# Altium PCB Board.PcbDoc (part 12 of 15)
Units mil, origin at the board's own origin, x right, y up, seen from the top; angles counter-clockwise.
Board outline 6379.64 x 4143.89 mil, 4 copper layers (Top Layer, GND, VCC, Bottom Layer); 316 components, 199 nets, 1077 pads, 596 vias.
Unrouted connection lines stored in the file: 268.
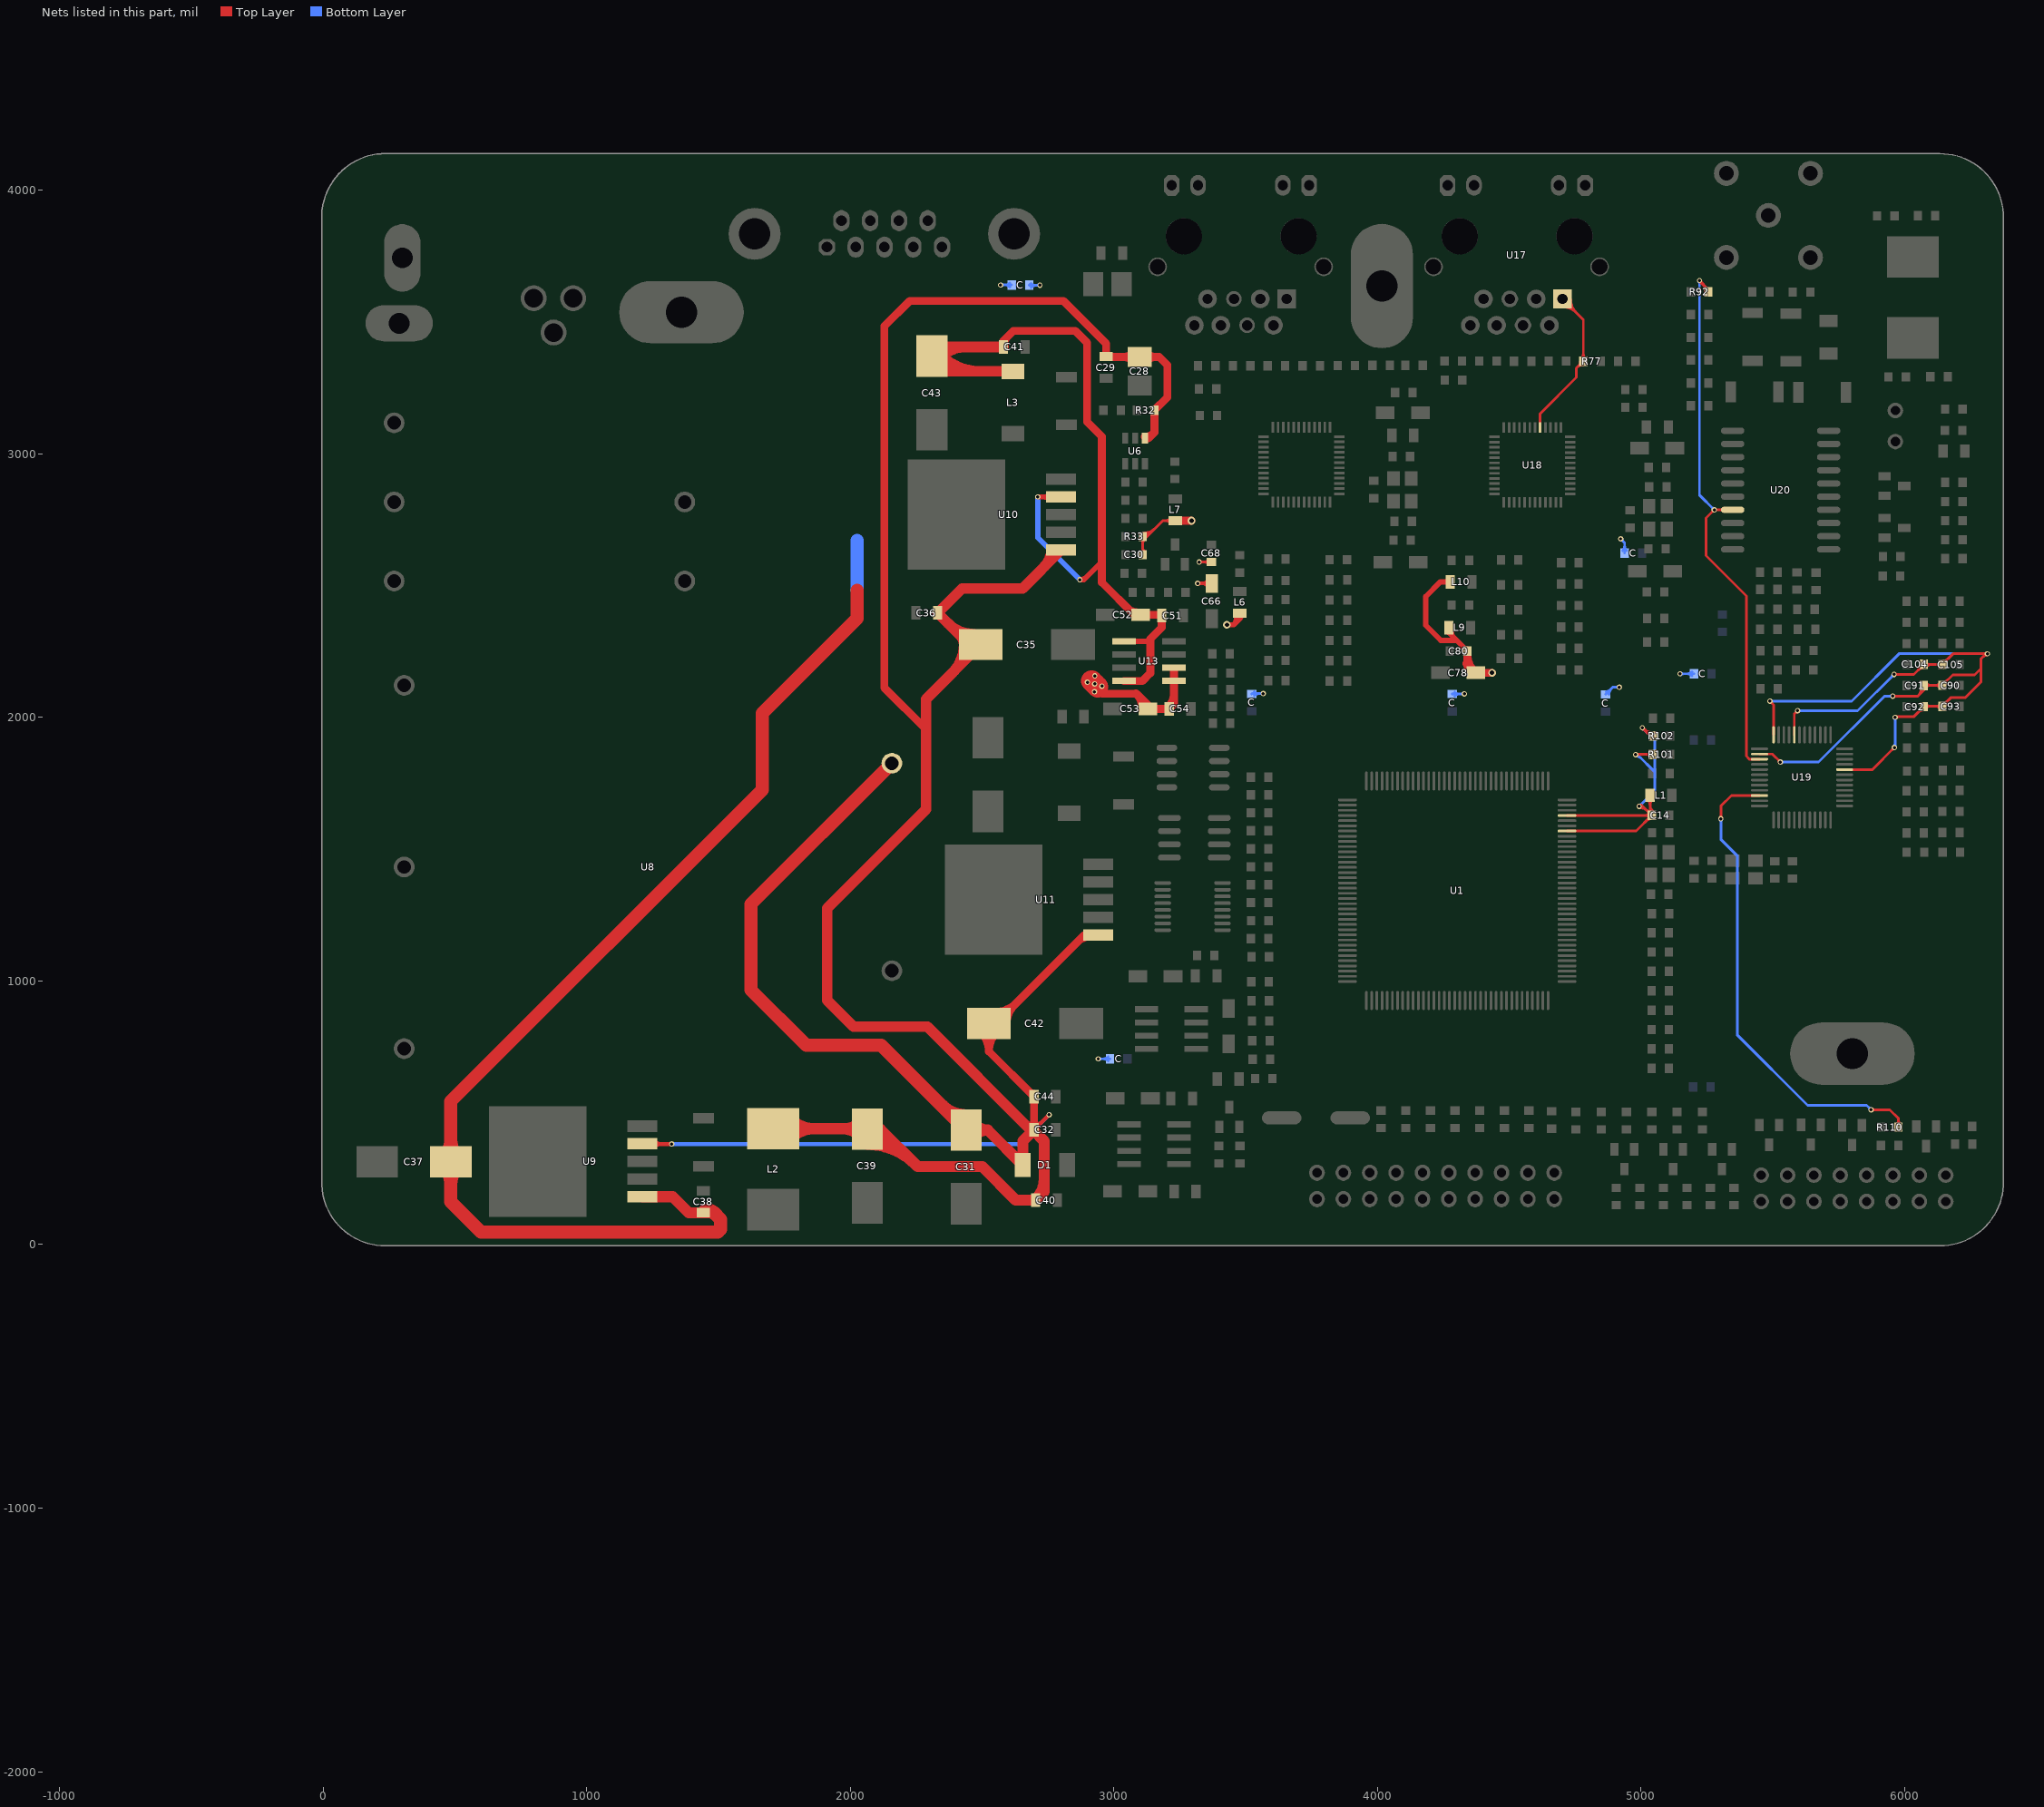
[diagram p13: the nets of this part, all layers, seen from the top]

## Via types
v1: diameter 20, hole 12, Top Layer to Bottom Layer, 590 vias
v2: diameter 30, hole 17, Top Layer to Bottom Layer, 6 vias

## Nets (pads, with @x,y where several pads share a name; then routed paths per layer and width w, separated by ;. In a path a pad name is that pad's centre, name@x,y a point inside that pad or via, vN(x,y) a via of type N, cw(c..) or ccw(c..) an arc to the next point about the centre after c; other vN are vias at no path point) (continued)
TX2_P: R77.1 U17.1 U18.17 | length 1411.9
  Top Layer w10: U18.17@4617.13,3099.72 4617.13,3140.01 4617.28,3140.16 4617.28,3152.85 4754.6,3290.16 4754.6,3325.02 R77.1@4781.03,3351.45 4781.03,3508.85 U17.1@4702.09,3587.8 ; U17.1@4702.09,3557.36 cw(c4702.09,3483.89) 4754.04,3535.84 ; U17.1@4702.09,3557.36 cw(c4702.09,3483.89) 4754.04,3535.84 ; U17.1@4702.09,3557.36 cw(c4702.09,3483.89) 4754.04,3535.84 ; U17.1@4702.09,3567.36 cw(c4702.09,3518.03) U17.1@4736.97,3552.91 ; U17.1@4702.09,3567.36 cw(c4702.09,3518.03) U17.1@4736.97,3552.91 ; U17.1@4702.09,3567.36 cw(c4702.09,3518.03) U17.1@4736.97,3552.91 ; U17.1@4722.52,3587.8 ccw(c4771.85,3587.8) U17.1@4736.97,3552.91 ; U17.1@4722.52,3587.8 ccw(c4771.85,3587.8) U17.1@4736.97,3552.91 ; U17.1@4722.52,3587.8 ccw(c4771.85,3587.8) U17.1@4736.97,3552.91 ; U17.1@4732.52,3587.8 ccw(c4805.99,3587.8) 4754.04,3535.84 ; U17.1@4732.52,3587.8 ccw(c4805.99,3587.8) 4754.04,3535.84 ; U17.1@4732.52,3587.8 ccw(c4805.99,3587.8) 4754.04,3535.84 ; 4759.32,3329.74 cw(c4781.03,3308.03) R77.1@4781.03,3338.73 ; 4759.32,3329.74 cw(c4781.03,3308.03) R77.1@4781.03,3338.73 ; 4759.32,3329.74 cw(c4781.03,3308.03) R77.1@4781.03,3338.73 ; 4764.07,3334.49 ccw(c4749.08,3349.48) R77.1@4770.28,3349.48 ; 4764.07,3334.49 ccw(c4749.08,3349.48) R77.1@4770.28,3349.48 ; 4764.07,3334.49 ccw(c4749.08,3349.48) R77.1@4770.28,3349.48 ; R77.1@4773.43,3361.02 ccw(c4755.08,3379.37) 4781.03,3379.37 ; R77.1@4773.43,3361.02 ccw(c4755.08,3379.37) 4781.03,3379.37 ; R77.1@4773.43,3361.02 ccw(c4755.08,3379.37) 4781.03,3379.37 ; 4781.03,3379.37 ccw(c4806.98,3379.37) R77.1@4788.63,3361.02 ; 4781.03,3379.37 ccw(c4806.98,3379.37) R77.1@4788.63,3361.02 ; 4781.03,3379.37 ccw(c4806.98,3379.37) R77.1@4788.63,3361.02
TX_EN: R92.2 U19.15 U20.4 | length 2633
  Top Layer w10: v1@5220.3,3652.62 cw(c5214.2,3629.82) 5234.64,3641.62 ; v1(5221.6,3657.45) 5254.75,3624.3 R92.2@5254.75,3614.45 ; 5231.8,3646.53 ccw(c5221.55,3640.62) v1@5221.59,3652.45 ; U20.4@5347.43,2787.45 v1(5277.6,2787.45) 5246.6,2756.45 5246.6,2613.45 5399.33,2460.72 5399.33,1852.72 5410.7,1841.35 U19.15@5449.18,1841.35 ; v1@5221.6,3652.45 cw(c5221.6,3640.38) 5230.13,3648.91 ; v1@5221.6,3652.45 cw(c5221.6,3640.38) 5230.13,3648.91 ; v1@5221.6,3652.45 cw(c5221.6,3640.38) 5230.13,3648.91 ; v1@5226.6,3657.45 ccw(c5238.67,3657.45) 5230.13,3648.91 ; v1@5226.6,3657.45 ccw(c5238.67,3657.45) 5230.13,3648.91 ; v1@5226.6,3657.45 ccw(c5238.67,3657.45) 5230.13,3648.91 ; 5230.83,3648.22 cw(c5199.02,3616.42) R92.2@5244,3616.42 ; 5230.83,3648.22 cw(c5199.02,3616.42) R92.2@5244,3616.42 ; 5230.83,3648.22 cw(c5199.02,3616.42) R92.2@5244,3616.42 ; R92.2@5247.9,3631.15 cw(c5233.17,3616.42) R92.2@5254,3616.42 ; R92.2@5247.9,3631.15 cw(c5233.17,3616.42) R92.2@5254,3616.42 ; R92.2@5247.9,3631.15 cw(c5233.17,3616.42) R92.2@5254,3616.42 ; 5269.06,2778.91 cw(c5277.6,2770.38) v1@5277.6,2782.45 ; 5269.06,2778.91 ccw(c5260.53,2787.45) v1@5272.6,2787.45 ; 5269.06,2778.91 cw(c5277.6,2770.38) v1@5277.6,2782.45 ; 5269.06,2778.91 ccw(c5260.53,2787.45) v1@5272.6,2787.45 ; 5269.06,2778.91 ccw(c5260.53,2787.45) v1@5272.6,2787.45 ; 5269.06,2778.91 cw(c5277.6,2770.38) v1@5277.6,2782.45 ; v1@5281.13,2783.91 cw(c5289.67,2775.38) 5289.67,2787.45 ; v1@5281.13,2783.91 cw(c5289.67,2775.38) 5289.67,2787.45 ; v1@5281.13,2783.91 cw(c5289.67,2775.38) 5289.67,2787.45 ; v1@5281.13,2790.98 ccw(c5289.67,2799.52) 5289.67,2787.45 ; v1@5281.13,2790.98 ccw(c5289.67,2799.52) 5289.67,2787.45 ; v1@5281.13,2790.98 ccw(c5289.67,2799.52) 5289.67,2787.45 ; 5298.5,2787.45 cw(c5298.5,2771.01) U20.4@5310.13,2782.63 ; 5298.5,2787.45 ccw(c5298.5,2803.89) U20.4@5310.13,2792.26 ; 5298.5,2787.45 cw(c5298.5,2771.01) U20.4@5310.13,2782.63 ; 5298.5,2787.45 ccw(c5298.5,2803.89) U20.4@5310.13,2792.26 ; 5298.5,2787.45 ccw(c5298.5,2803.89) U20.4@5310.13,2792.26 ; 5298.5,2787.45 cw(c5298.5,2771.01) U20.4@5310.13,2782.63
  Bottom Layer w10: v1(5221.6,3657.45) 5221.6,2843.45 v1(5277.6,2787.45) ; v1@5218.06,3653.91 cw(c5209.53,3645.38) 5221.6,3645.38 ; v1@5218.06,3653.91 cw(c5209.53,3645.38) 5221.6,3645.38 ; v1@5218.06,3653.91 cw(c5209.53,3645.38) 5221.6,3645.38 ; 5221.6,3645.38 cw(c5233.67,3645.38) v1@5225.13,3653.91 ; 5221.6,3645.38 cw(c5233.67,3645.38) v1@5225.13,3653.91 ; 5221.6,3645.38 cw(c5233.67,3645.38) v1@5225.13,3653.91 ; 5269.06,2795.98 cw(c5260.53,2787.45) v1@5272.6,2787.45 ; 5269.06,2795.98 ccw(c5277.6,2804.52) v1@5277.6,2792.45 ; 5269.06,2795.98 cw(c5260.53,2787.45) v1@5272.6,2787.45 ; 5269.06,2795.98 ccw(c5277.6,2804.52) v1@5277.6,2792.45 ; 5269.06,2795.98 ccw(c5277.6,2804.52) v1@5277.6,2792.45 ; 5269.06,2795.98 cw(c5260.53,2787.45) v1@5272.6,2787.45
TX_LED: R110.2 U19.22 | length 2183
  Top Layer w10: v1(5302.6,1615.45) 5302.6,1663.45 5342.7,1703.55 U19.22@5449.18,1703.55 ; v1(5872.6,511.45) 5943.6,511.45 5976.6,478.45 R110.2@5976.6,445.45 ; v1@5299.06,1618.98 ccw(c5290.53,1627.52) 5302.6,1627.52 ; v1@5299.06,1618.98 ccw(c5290.53,1627.52) 5302.6,1627.52 ; v1@5299.06,1618.98 ccw(c5290.53,1627.52) 5302.6,1627.52 ; 5302.6,1627.52 ccw(c5314.67,1627.52) v1@5306.13,1618.98 ; 5302.6,1627.52 ccw(c5314.67,1627.52) v1@5306.13,1618.98 ; 5302.6,1627.52 ccw(c5314.67,1627.52) v1@5306.13,1618.98 ; v1@5876.13,507.91 cw(c5884.67,499.38) 5884.67,511.45 ; v1@5876.13,507.91 cw(c5884.67,499.38) 5884.67,511.45 ; v1@5876.13,507.91 cw(c5884.67,499.38) 5884.67,511.45 ; v1@5876.13,514.98 ccw(c5884.67,523.52) 5884.67,511.45 ; v1@5876.13,514.98 ccw(c5884.67,523.52) 5884.67,511.45 ; v1@5876.13,514.98 ccw(c5884.67,523.52) 5884.67,511.45 ; R110.2@5969,455.02 ccw(c5950.65,473.37) 5976.6,473.37 ; R110.2@5969,455.02 ccw(c5950.65,473.37) 5976.6,473.37 ; R110.2@5969,455.02 ccw(c5950.65,473.37) 5976.6,473.37 ; 5976.6,473.37 ccw(c6002.55,473.37) R110.2@5984.2,455.02 ; 5976.6,473.37 ccw(c6002.55,473.37) R110.2@5984.2,455.02 ; 5976.6,473.37 ccw(c6002.55,473.37) R110.2@5984.2,455.02
  Bottom Layer w10: v1(5302.6,1615.45) 5302.6,1537.45 5364.6,1475.45 5364.6,795.45 5631.6,528.45 5855.6,528.45 v1(5872.6,511.45) ; v1@5299.06,1611.91 cw(c5290.53,1603.38) 5302.6,1603.38 ; v1@5299.06,1611.91 cw(c5290.53,1603.38) 5302.6,1603.38 ; v1@5299.06,1611.91 cw(c5290.53,1603.38) 5302.6,1603.38 ; 5302.6,1603.38 cw(c5314.67,1603.38) v1@5306.13,1611.91 ; 5302.6,1603.38 cw(c5314.67,1603.38) v1@5306.13,1611.91 ; 5302.6,1603.38 cw(c5314.67,1603.38) v1@5306.13,1611.91 ; 5864.06,519.98 cw(c5855.53,511.45) v1@5867.6,511.45 ; 5864.06,519.98 ccw(c5872.6,528.52) v1@5872.6,516.45 ; 5864.06,519.98 cw(c5855.53,511.45) v1@5867.6,511.45 ; 5864.06,519.98 ccw(c5872.6,528.52) v1@5872.6,516.45 ; 5864.06,519.98 ccw(c5872.6,528.52) v1@5872.6,516.45 ; 5864.06,519.98 cw(c5855.53,511.45) v1@5867.6,511.45
VCC: C37.2 C38.2 U9.1 | length 5648.9
  Top Layer w42: U9.1@1211.6,181.45 1326.6,181.45 1387.28,120.77 C38.2@1442.6,120.77 1483.28,120.77
  Top Layer w50: C38.2@1447.52,127.43 cw(c1460.55,98.04) 1483.27,120.77 1508.6,95.45 1508.6,58.45 1497.6,47.45 599.6,47.45 484.75,162.3 C37.2@484.75,313.45 484.75,543.6 1666.6,1725.45 1666.6,2015.45 2026.68,2375.53 2026.68,2482.47 ; C37.2@460.67,289.37 cw(c402.53,231.23) 484.75,231.23 ; C37.2@460.67,289.37 cw(c402.53,231.23) 484.75,231.23 ; C37.2@460.67,289.37 cw(c402.53,231.23) 484.75,231.23 ; C37.2@460.67,337.53 ccw(c402.53,395.67) 484.75,395.67 ; C37.2@460.67,337.53 ccw(c402.53,395.67) 484.75,395.67 ; C37.2@460.67,337.53 ccw(c402.53,395.67) 484.75,395.67 ; 484.75,231.23 cw(c566.96,231.23) C37.2@508.83,289.37 ; 484.75,231.23 cw(c566.96,231.23) C37.2@508.83,289.37 ; 484.75,231.23 cw(c566.96,231.23) C37.2@508.83,289.37 ; 484.75,395.67 ccw(c566.96,395.67) C37.2@508.83,337.53 ; 484.75,395.67 ccw(c566.96,395.67) C37.2@508.83,337.53 ; 484.75,395.67 ccw(c566.96,395.67) C37.2@508.83,337.53 ; C38.2@1450.47,128.06 cw(c1450.47,66.45) 1494.04,110.01 ; C38.2@1450.47,128.06 cw(c1450.47,66.45) 1494.04,110.01 ; C38.2@1450.47,128.06 cw(c1450.47,66.45) 1494.04,110.01 ; C38.2@1450.47,128.06 cw(c1450.47,66.45) 1494.04,110.01 ; C38.2@1450.47,128.06 cw(c1450.47,66.45) 1494.04,110.01
  Bottom Layer w50: 2026.68,2482.47 2026.68,2671.45
VCC5: C41.2 C43.2 C51.1 C52.2 L3.2 U10.4 U13.5 U13.8 | length 4957.2
  Top Layer w20: v1(2711.6,2836.45) 2799.39,2836.45 U10.4@2799.6,2836.24 ; 2954.6,2590.45 2886.6,2522.45 v1(2870.6,2522.45) ; U13.5@3038.62,2288.45 3128.6,2288.45 3138.6,2298.45 ; 2735.52,2836.45 cw(c2735.52,2807.59) U10.4@2755.93,2828 ; 2735.52,2836.45 cw(c2735.52,2807.59) U10.4@2755.93,2828 ; 2735.52,2836.45 cw(c2735.52,2807.59) U10.4@2755.93,2828 ; 2736.54,2836.45 ccw(c2736.54,2863.86) U10.4@2755.93,2844.48 ; 2736.54,2836.45 ccw(c2736.54,2863.86) U10.4@2755.93,2844.48 ; 2736.54,2836.45 ccw(c2736.54,2863.86) U10.4@2755.93,2844.48 ; v1(2870.6,2522.45) ccw(c2870.6,2561.08) 2897.91,2533.76 ; v1(2870.6,2522.45) ccw(c2870.6,2561.08) 2897.91,2533.76 ; v1(2870.6,2522.45) ccw(c2870.6,2561.08) 2897.91,2533.76
  Top Layer w30: C41.2@2580.92,3405.45 2580.92,3428.77 2618.6,3466.45 2853.6,3466.45 2898.6,3421.45 2898.6,3121.45 2954.6,3065.45 2954.6,2590.45 2954.6,2512.45 3077.6,2389.45 C52.2@3101.54,2389.45 3178.6,2389.45 C51.1@3181.6,2386.45 3181.6,2341.45 3138.6,2298.45 3138.6,2168.45 3108.6,2138.45 U13.8@3038.62,2138.45 ; C41.2@2583.64,3413.32 cw(c2627.49,3413.32) 2596.48,3444.33 ; C41.2@2583.64,3413.32 cw(c2627.49,3413.32) 2596.48,3444.33 ; C41.2@2583.64,3413.32 cw(c2627.49,3413.32) 2596.48,3444.33 ; 3054.31,2412.74 ccw(c3089.72,2448.16) C52.2@3089.72,2398.07 ; 3054.31,2412.74 ccw(c3089.72,2448.16) C52.2@3089.72,2398.07 ; 3054.31,2412.74 ccw(c3089.72,2448.16) C52.2@3089.72,2398.07
  Top Layer w40: C41.2@2580.92,3405.45 2344.45,3405.45 C43.2@2309.6,3370.6 2367.53,3312.67 L3.2@2616.6,3312.67 ; C43.2@2308.93,3350.25 ccw(c2399.65,3440.96) 2399.65,3312.67 ; C43.2@2308.93,3350.25 ccw(c2399.65,3440.96) 2399.65,3312.67 ; C43.2@2308.93,3350.25 ccw(c2399.65,3440.96) 2399.65,3312.67 ; C43.2@2337.21,3362.67 cw(c2440.5,3259.38) 2440.5,3405.45 ; C43.2@2337.21,3362.67 cw(c2440.5,3259.38) 2440.5,3405.45 ; C43.2@2337.21,3362.67 cw(c2440.5,3259.38) 2440.5,3405.45 ; C43.2@2337.21,3378.53 ccw(c2496.22,3537.53) 2496.22,3312.67 ; C43.2@2337.21,3378.53 ccw(c2496.22,3537.53) 2496.22,3312.67 ; C43.2@2337.21,3378.53 ccw(c2496.22,3537.53) 2496.22,3312.67 ; C43.2@2337.21,3417.9 ccw(c2367.27,3447.96) C43.2@2367.27,3405.45 ; C43.2@2337.21,3417.9 ccw(c2367.27,3447.96) C43.2@2367.27,3405.45 ; C43.2@2337.21,3417.9 ccw(c2367.27,3447.96) C43.2@2367.27,3405.45
  Bottom Layer w20: v1(2711.6,2836.45) 2711.6,2681.45 v1(2870.6,2522.45)
VCC15: C28.2 C29.2 C31.2 C32.2 C35.2 C36.2 C39.2 C40.2 C42.2 C44.2 C.2@2612.6,3640.45 C.2@2985.6,704.45 D1.2 L2.2 R32.1 U6.4 U8.4 U9.4 U10.1 U11.1 | length 19683.3
  Top Layer w15: U9.4@1211.6,382.24 1212.39,381.45 v1(1322.6,381.45) ; C32.2@2696.92,435.45 2753.92,492.45 v1(2754.6,492.45) ; U9.4@1257.04,372.23 cw(c1279.3,349.97) 1279.3,381.45 ; U9.4@1257.04,372.23 cw(c1279.3,349.97) 1279.3,381.45 ; U9.4@1257.04,372.23 cw(c1279.3,349.97) 1279.3,381.45 ; U9.4@1257.04,392.24 ccw(c1283.1,418.31) 1283.1,381.45 ; U9.4@1257.04,392.24 ccw(c1283.1,418.31) 1283.1,381.45 ; U9.4@1257.04,392.24 ccw(c1283.1,418.31) 1283.1,381.45 ; C32.2@2696.92,453.54 ccw(c2696.92,497.21) 2727.8,466.33 ; C32.2@2696.92,453.54 ccw(c2696.92,497.21) 2727.8,466.33 ; C32.2@2696.92,453.54 ccw(c2696.92,497.21) 2727.8,466.33
  Top Layer w30: 2287.6,1954.45 2129.6,2112.45 2129.6,3484.45 2225.6,3580.45 2808.6,3580.45 2970.6,3418.45 C29.2@2970.6,3369.13 2972.28,3367.45 C28.2@3097.6,3367.45 3171.6,3367.45 3202.6,3336.45 3202.6,3214.45 R32.1@3153.6,3165.45 3153.6,3081.45 3130.83,3058.68 ; C32.2@2696.92,435.45 C44.2@2696.92,561.45 2525.65,732.72 ; U11.1@2940.6,1174.45 2888.6,1174.45 2552.6,838.45 C42.2@2525.65,838.45 2525.65,732.72 ; C42.2@2494.63,807.16 cw(c2420.83,732.73) 2525.65,732.73 ; C42.2@2494.63,807.16 cw(c2420.83,732.73) 2525.65,732.73 ; C42.2@2494.63,807.16 cw(c2420.83,732.73) 2525.65,732.73 ; 2525.65,732.73 cw(c2630.46,732.73) C42.2@2556.66,807.16 ; 2525.65,732.73 cw(c2630.46,732.73) C42.2@2556.66,807.16 ; 2525.65,732.73 cw(c2630.46,732.73) C42.2@2556.66,807.16 ; C42.2@2549.27,882.5 ccw(c2549.27,996.9) 2630.16,916.01 ; C42.2@2549.27,882.5 ccw(c2549.27,996.9) 2630.16,916.01 ; C42.2@2549.27,882.5 ccw(c2549.27,996.9) 2630.16,916.01 ; C42.2@2593.32,838.45 cw(c2691.64,838.45) 2622.12,907.97 ; C42.2@2593.32,838.45 cw(c2691.64,838.45) 2622.12,907.97 ; C42.2@2593.32,838.45 cw(c2691.64,838.45) 2622.12,907.97 ; 2678.84,579.53 ccw(c2696.92,597.61) C44.2@2696.92,572.04 ; 2678.84,579.53 ccw(c2696.92,597.61) C44.2@2696.92,572.04 ; 2678.84,579.53 ccw(c2696.92,597.61) C44.2@2696.92,572.04 ; 2865.53,1151.38 cw(c2905.17,1111.74) U11.1@2905.17,1167.8 ; 2865.53,1151.38 cw(c2905.17,1111.74) U11.1@2905.17,1167.8 ; 2865.53,1151.38 cw(c2905.17,1111.74) U11.1@2905.17,1167.8 ; 3034.25,3367.45 cw(c3034.25,3310.99) C28.2@3074.17,3350.91 ; 3034.25,3367.45 ccw(c3034.25,3423.91) C28.2@3074.17,3383.99 ; 3034.25,3367.45 cw(c3034.25,3310.99) C28.2@3074.17,3350.91 ; 3034.25,3367.45 ccw(c3034.25,3423.91) C28.2@3074.17,3383.99 ; 3034.25,3367.45 ccw(c3034.25,3423.91) C28.2@3074.17,3383.99 ; 3034.25,3367.45 cw(c3034.25,3310.99) C28.2@3074.17,3350.91 ; U6.4@3118,3064.35 ccw(c3118,3109) 3149.57,3077.43 ; U6.4@3118,3064.35 ccw(c3118,3109) 3149.57,3077.43 ; U6.4@3118,3064.35 ccw(c3118,3109) 3149.57,3077.43 ; C28.2@3121.02,3350.91 cw(c3160.95,3310.99) 3160.95,3367.45 ; C28.2@3121.02,3350.91 cw(c3160.95,3310.99) 3160.95,3367.45 ; C28.2@3121.02,3350.91 cw(c3160.95,3310.99) 3160.95,3367.45 ; C28.2@3121.02,3383.99 ccw(c3160.95,3423.91) 3160.95,3367.45 ; C28.2@3121.02,3383.99 ccw(c3160.95,3423.91) 3160.95,3367.45 ; C28.2@3121.02,3383.99 ccw(c3160.95,3423.91) 3160.95,3367.45
  Top Layer w40: C32.2@2696.92,435.45 2683.6,435.45 2292.6,826.45 2012.6,826.45 1912.6,926.45 1912.6,1276.45 2287.6,1651.45 2287.6,1954.45 2287.6,2069.4 C35.2@2494.65,2276.45 2451.28,2276.45 C36.2@2331.28,2396.45 2424.28,2489.45 2653.6,2489.45 U10.1@2799.6,2635.45 ; 2370.64,2357.08 ccw(c2471.02,2457.47) C35.2@2471.02,2315.5 ; 2370.64,2357.08 ccw(c2471.02,2457.47) C35.2@2471.02,2315.5 ; 2370.64,2357.08 ccw(c2471.02,2457.47) C35.2@2471.02,2315.5 ; 2387.65,2169.45 ccw(c2280.65,2276.45) C35.2@2431.97,2276.45 ; 2387.65,2169.45 ccw(c2280.65,2276.45) C35.2@2431.97,2276.45 ; 2387.65,2169.45 ccw(c2280.65,2276.45) C35.2@2431.97,2276.45 ; C35.2@2418.32,2309.41 cw(c2385.36,2276.45) C35.2@2431.97,2276.45 ; C35.2@2418.32,2309.41 cw(c2385.36,2276.45) C35.2@2431.97,2276.45 ; C35.2@2418.32,2309.41 cw(c2385.36,2276.45) C35.2@2431.97,2276.45 ; 2664.63,454.41 ccw(c2696.92,486.7) C32.2@2696.92,441.04 ; 2664.63,454.41 ccw(c2696.92,486.7) C32.2@2696.92,441.04 ; 2664.63,454.41 ccw(c2696.92,486.7) C32.2@2696.92,441.04 ; 2736.29,2572.14 ccw(c2672.98,2635.45) U10.1@2762.51,2635.45 ; 2736.29,2572.14 ccw(c2672.98,2635.45) U10.1@2762.51,2635.45 ; 2736.29,2572.14 ccw(c2672.98,2635.45) U10.1@2762.51,2635.45
  Top Layer w42: L2.2@1707.6,439.54 2062.66,439.54 C39.2@2064.6,437.6 2113.45,437.6 2255.6,295.45 2500.6,295.45 2627.6,168.45 C40.2@2702.92,168.45 2735.6,201.13 2735.6,392.3 2696.92,430.98 C32.2@2696.92,435.45 2654.49,393.02 D1.2@2654.49,301.45 2521.34,434.6 ; C31.2@2439.6,434.6 2521.34,434.6 ; L2.2@1768.11,398.71 cw(c1866.68,300.14) 1866.68,439.54 ; L2.2@1768.11,398.71 cw(c1866.68,300.14) 1866.68,439.54 ; L2.2@1768.11,398.71 cw(c1866.68,300.14) 1866.68,439.54 ; L2.2@1768.11,480.36 ccw(c1866.68,578.93) 1866.68,439.54 ; L2.2@1768.11,480.36 ccw(c1866.68,578.93) 1866.68,439.54 ; L2.2@1768.11,480.36 ccw(c1866.68,578.93) 1866.68,439.54 ; 1968.05,439.54 cw(c1968.05,341.05) C39.2@2037.69,410.69 ; 1968.05,439.54 cw(c1968.05,341.05) C39.2@2037.69,410.69 ; 1968.05,439.54 cw(c1968.05,341.05) C39.2@2037.69,410.69 ; 1977.4,439.54 ccw(c1977.4,524.8) C39.2@2037.69,464.51 ; 1977.4,439.54 ccw(c1977.4,524.8) C39.2@2037.69,464.51 ; 1977.4,439.54 ccw(c1977.4,524.8) C39.2@2037.69,464.51 ; C39.2@2064.6,379.86 cw(c2064.6,122.53) 2246.56,304.49 ; C39.2@2064.6,379.86 cw(c2064.6,122.53) 2246.56,304.49 ; C39.2@2064.6,379.86 cw(c2064.6,122.53) 2246.56,304.49 ; C39.2@2064.6,421.86 cw(c2064.6,265.92) 2174.86,376.19 ; C39.2@2064.6,421.86 cw(c2064.6,265.92) 2174.86,376.19 ; C39.2@2064.6,421.86 cw(c2064.6,265.92) 2174.86,376.19 ; C31.2@2468.72,410.1 cw(c2521.33,365.85) 2521.33,434.6 ; C31.2@2468.72,410.1 cw(c2521.33,365.85) 2521.33,434.6 ; C31.2@2468.72,410.1 cw(c2521.33,365.85) 2521.33,434.6 ; C31.2@2468.72,459.09 ccw(c2521.33,503.35) 2521.33,434.6 ; C31.2@2468.72,459.09 ccw(c2521.33,503.35) 2521.33,434.6 ; C31.2@2468.72,459.09 ccw(c2521.33,503.35) 2521.33,434.6 ; 2613.05,342.89 ccw(c2654.49,384.33) D1.2@2654.49,325.72 ; 2613.05,342.89 ccw(c2654.49,384.33) D1.2@2654.49,325.72 ; 2613.05,342.89 ccw(c2654.49,384.33) D1.2@2654.49,325.72 ; C40.2@2705.24,174 ccw(c2631.96,247.29) 2735.6,247.29 ; C40.2@2705.24,174 ccw(c2631.96,247.29) 2735.6,247.29 ; C40.2@2705.24,174 ccw(c2631.96,247.29) 2735.6,247.29
  Top Layer w50: C39.2@2062.66,439.54 C39.2@2067.57,444.45 ; U8.4@2157.99,1826.15 1622.6,1290.76 1622.6,966.45 1832.6,756.45 2117.75,756.45 C31.2@2439.6,434.6 ; 2347.86,526.34 ccw(c2439.6,618.08) C31.2@2439.6,488.34 ; 2347.86,526.34 ccw(c2439.6,618.08) C31.2@2439.6,488.34 ; 2347.86,526.34 ccw(c2439.6,618.08) C31.2@2439.6,488.34